# Altium PCB PCB1.PcbDoc
Units mm, origin at the board's own origin, x right, y up, seen from the top; angles counter-clockwise.
Board outline 80 x 40 mm, 2 copper layers (Top Layer, Bottom Layer); 37 components, 32 nets, 148 pads, 180 vias.
Unrouted connection lines stored in the file: 32.
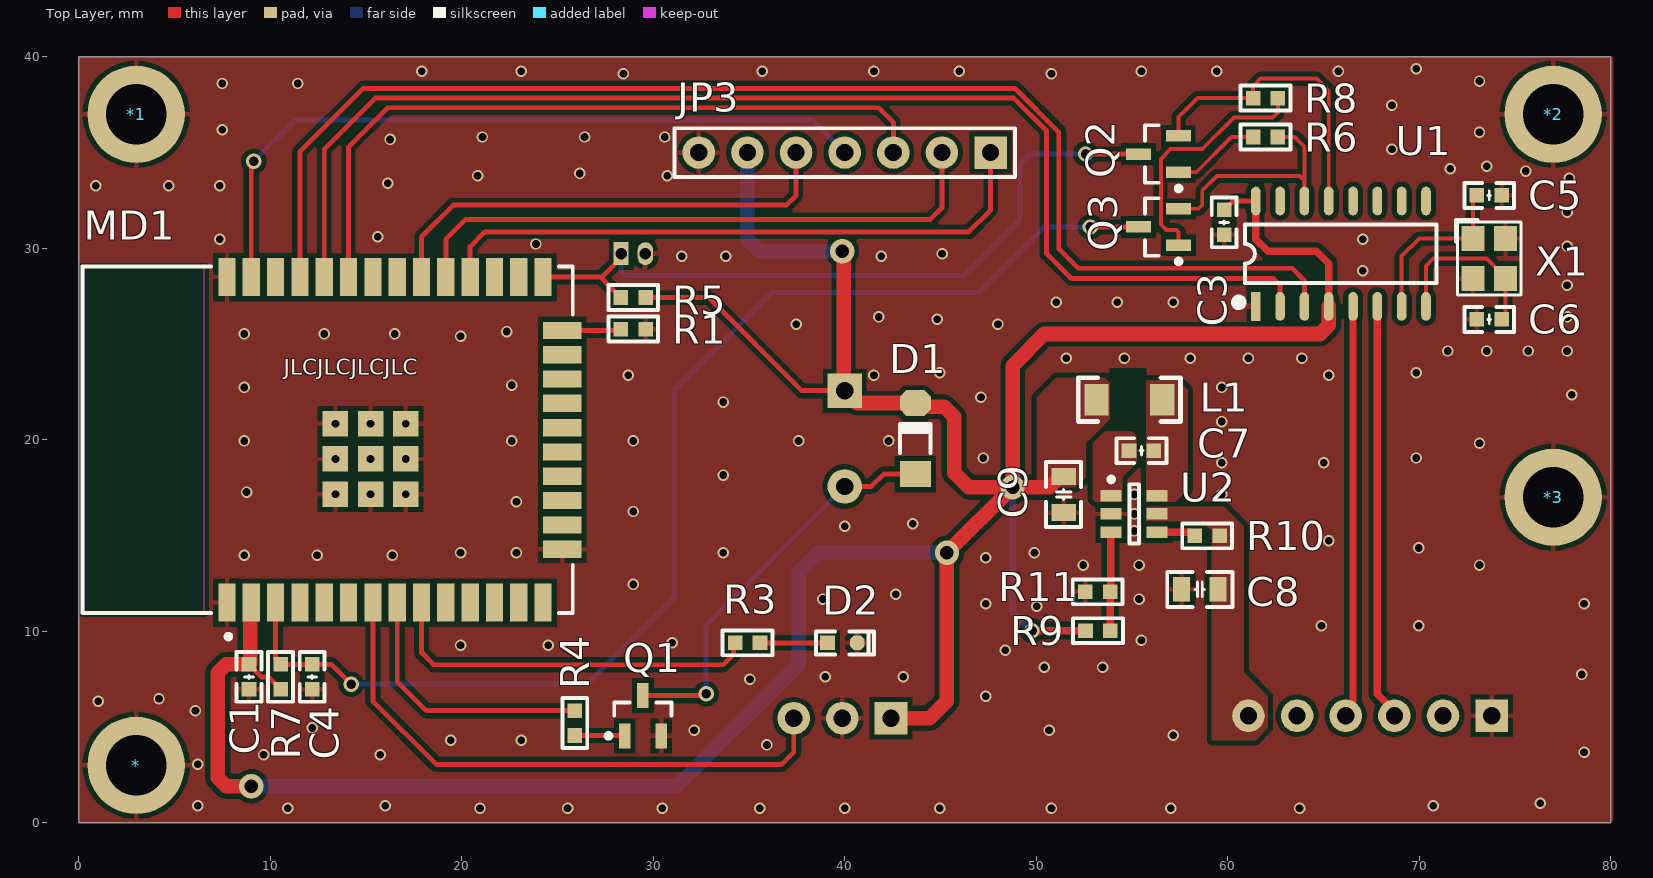
[diagram p0: Top Layer view]
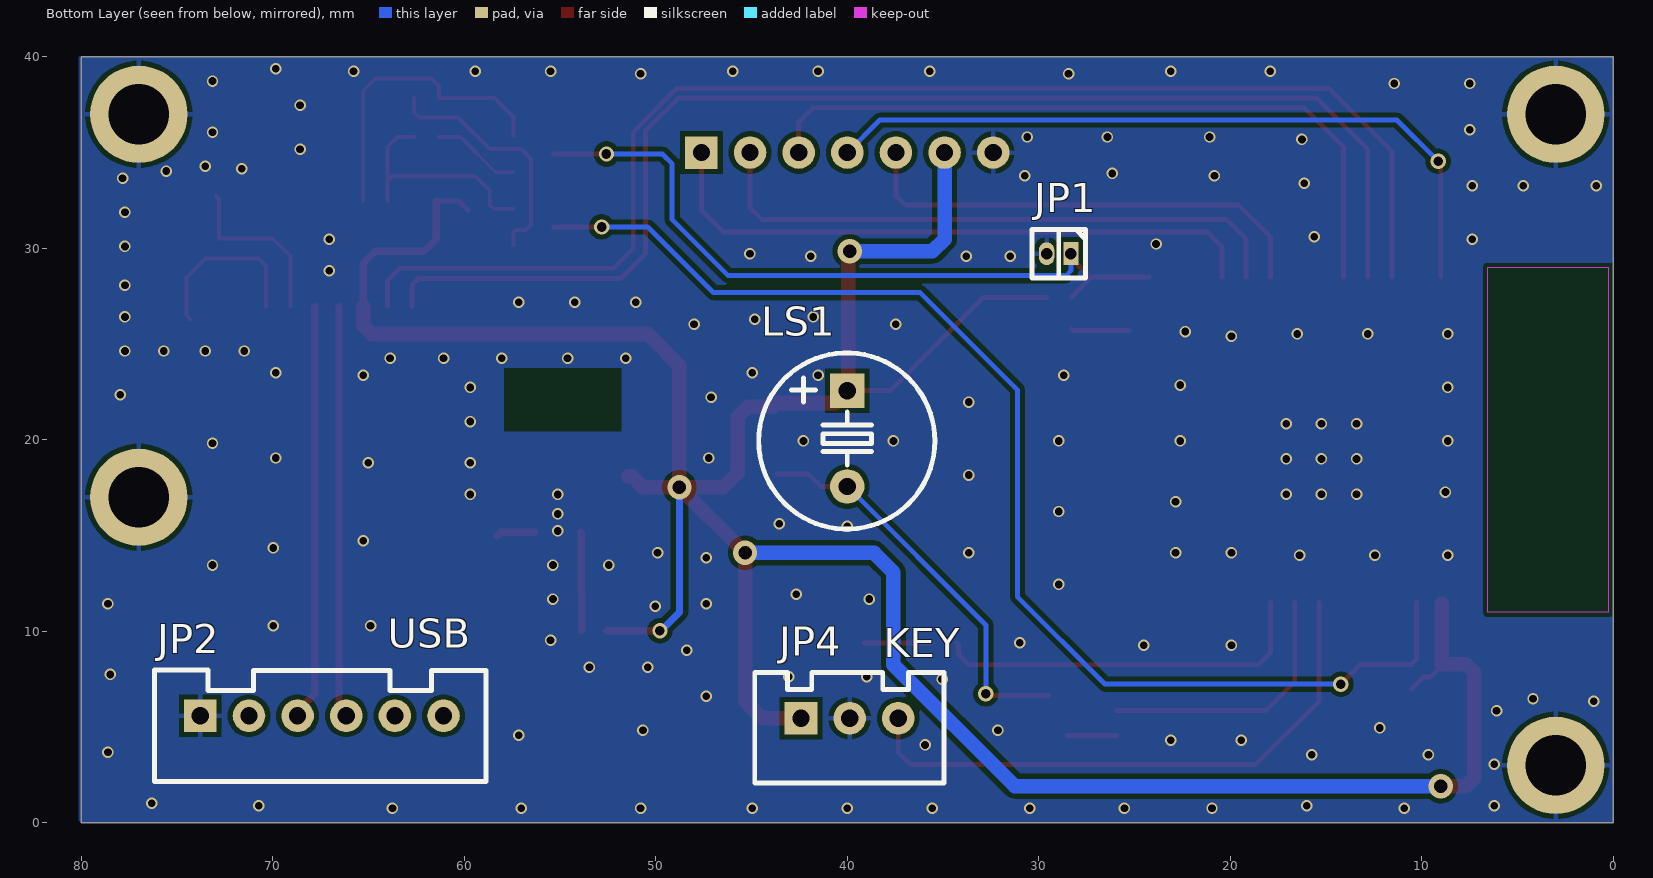
[diagram p1: Bottom Layer view, seen from below]

## Layer stack, top to bottom
Top Solder: solder mask 0.0102, Solder Resist, Dk 3.5
Top Layer: signal copper 0.0356
Dielectric 1: dielectric 0.32, FR-4, Dk 4.8
Bottom Layer: signal copper 0.0356
Bottom Solder: solder mask 0.0102, Solder Resist, Dk 3.5

## Board outline
0,0 0,40 80,40 80,0

## Design rules (kind name [scope] priority, off if disabled: settings)
Clearance [All] p1: gap=0.254 ignorepadtopadclearanceinfootprint=FALSE except(0: Arc-Hole Track-Hole SMDPad-Hole THPad-Hole Via-Hole Fill-Hole Poly-Hole Region-Hole Text-Hole; 0.152: Arc-Arc Arc-Track Arc-SMDPad Arc-THPad Arc-Via Track-Track Track-SMDPad Track-THPad Track-Via SMDPad-SMDPad SMDPad-THPad SMDPad-Via THPad-THPad THPad-Via Via-Via)
PolygonConnect PWR [InNet('+5')  + InNet('+3.3')        +InNet('NetC7_1') + InNet('NetC7_2')] p1: connectstyle=Direct reliefconductorwidth=0.254 reliefentries=4 polygonreliefangle="90 Angle" airgapwidth=0.254
PolygonConnect [All] p2: thpad.connectstyle=Relief thpad.reliefconductorwidth=0.254 thpad.reliefentries=4 thpad.polygonreliefangle="90 Angle" thpad.airgapwidth=0.254 smdpad.connectstyle=Relief smdpad.reliefconductorwidth=0.254 smdpad.reliefentries=4 smdpad.polygonreliefangle="90 Angle" smdpad.airgapwidth=0.254 via.connectstyle=Direct via.reliefconductorwidth=0.254 via.reliefentries=4 via.polygonreliefangle="90 Angle" via.airgapwidth=0.254
RoutingVias [All] p1: holewidth=0.711 width=1.27 viastyle="Through Hole" minholewidth=0.711 minwidth=1.27 maxholewidth=0.711 maxwidth=1.27
SolderMaskExpansion [All] p1: expansion=0.102 istentingtop=FALSE
Width Width_PWR [InNet('+3.3')] p1: maxlimit=1.27 minlimit=0.254 preferedwidth=0.381 minimp=50.000000 maximp=50.000000 favimp=50.000000
Width [All] p2: maxlimit=1.27 minlimit=0.152 preferedwidth=0.254 minimp=50.000000 maximp=50.000000 favimp=50.000000
30 further rules are at their usual default settings.

## Classes and differential pairs
component class main: * *1 *2 *3 C1 D1 D2 JP1 JP2 JP3 JP4 LS1 MD1 Q1 R1 R3 R4
component class Designator: C7 C8 C9 L1 R9 R10 R11 U2

## Components (designator, comment, footprint, x,y, rotation, side; value= is the part's Value field where it differs from the comment)
* "M3" "M3 125X200"#1 3.048,3.048 r0 top
*1 "M3" "M3 125X200"#2 3.937,36.703 r0 top
*2 "M3" "M3 125X200"#3 77,37 r0 top
*3 "M3" "M3 125X200"#4 74.549,17.399 r0 top
C1 "104" "C 0603-L" 8.89,7.62 r270 top
C3 "104" "C 0603-L" 59.817,31.354 r90 top
C4 "1u" "C 0603-L" 12.192,7.62 r90 top
C5 "20p" "C 0603-L" 73.66,32.766 r180 top
C6 "20p" "C 0603-L" 73.66,26.289 r0 top
C7 "223" "C 0603-L" 55.499,19.431 r180 top
C8 "226" "C 0805-L" 58.547,12.192 r180 top
C9 "226" "C 0805-L" 51.435,17.145 r270 top
D1 "1N4148" "MINI_MELF (LL34)" 43.688,20.066 r90 top
D2 "LED" "LED 0603R" 39.878,9.398 r0 top
JP1 "FLS" HDR1.27-LI-2P 28.956,29.718 r0 bottom
JP2 "HDR-1X6" XH2.54-LI-6P 67.437,5.588 r180 bottom
JP3 "OLED_SPI" HDR2.54-M-LI-7P 40,35 r180 top locked
JP4 "HDR-1X3" XH2.54-LI-3P 39.878,5.461 r180 bottom
L1 "10uH" "L 1206" 54.864,22.098 r0 top
LS1 "DC5V" "BEEP 5x9x5.5" 40.005,20.066 r0 bottom
MD1 "ESP32-WROOM-32D" FP-ESP32-WROOM-32D-MFG 13,20 r90 top locked
Q1 "SS8050" SOT23-3N 29.464,5.588 r90 top
Q2 "SS8050" SOT23-3N 56.388,34.925 r180 top
Q3 "SS8050" SOT23-3N 56.388,31.115 r180 top
R1 "10k" "R 0603_L" 28.956,25.781 r0 top
R3 "1K" "R 0603_L" 34.925,9.398 r180 top
R4 "1K" "R 0603_L" 25.908,5.207 r90 top
R5 "10k" "R 0603_L" 28.956,27.432 r0 top
R6 "10k" "R 0603_L" 61.976,35.814 r180 top
R7 "10k" "R 0603_L" 10.541,7.62 r270 top
R8 "10k" "R 0603_L" 61.976,37.846 r0 top
R9 "100k" "R 0603_L" 53.228,10.033 r0 top
R10 "10k" "R 0603_L" 58.928,14.986 r0 top
R11 "22.1k" "R 0603_L" 53.213,12.065 r0 top
U1 "CH340G" sop16_L 65.913,29.718 r90 top
U2 "MT2492" SOT23-6N 55.118,16.129 r0 top
X1 "12M" "OSC 3225-4P" 73.66,29.464 r270 top

## Footprints (in the part's own frame and the unit in brackets; to place one, negate y for a bottom-side part, rotate by r counter-clockwise, add the part's x,y. Pads: shape width x height; smd on the part's side, far side on the other; paste and mask are expansions set on the pad)
"BEEP 5x9x5.5" [mm] "5*9*5.5mm(脚距,直径,高度)        淘宝ID:黄晶宝石"
  rect 1.8x1.8 hole 0.9: 1(0,-2.5)
  round 1.8 hole 0.9: 2(0,2.5)
  silkscreen extent -4.58,-4.47 4.62,4.72, body extent -4.5,-4.5 4.5,4.5, height 5.45
"C 0603-L" [mil] "无极性贴片电容"
  rect 30x30 smd: 1(-25.59,0) 2(25.59,0)
  silkscreen extent -51,-26 51,26, body extent -31,-16 32,16, height 32
"C 0805-L" [mil] "无极性贴片电容"
  rect 35x50 smd: 1(-37.4,0) 2(37.4,0)
  silkscreen extent -67,-36 67,36, body extent -39,-24 39,24, height 20
FP-ESP32-WROOM-32D-MFG [mm]
  rect 2x0.9 smd paste+0 mask+0: 1(-8.5,5.26) 2(-8.5,3.99) 3(-8.5,2.72) 4(-8.5,1.45) 5(-8.5,0.18) 6(-8.5,-1.09) 7(-8.5,-2.36) 8(-8.5,-3.63) 9(-8.5,-4.9) 10(-8.5,-6.17) 11(-8.5,-7.44) 12(-8.5,-8.71) 13(-8.5,-9.98) 14(-8.5,-11.25) 25(8.5,-11.25) 26(8.5,-9.98) 27(8.5,-8.71) 28(8.5,-7.44) 29(8.5,-6.17) 30(8.5,-4.9) 31(8.5,-3.63) 32(8.5,-2.36) 33(8.5,-1.09) 34(8.5,0.18) 35(8.5,1.45) 36(8.5,2.72) 37(8.5,3.99) 38(8.5,5.26)
  rect 0.9x2 smd paste+0 mask+0: 15(-5.715,-12.25) 16(-4.445,-12.25) 17(-3.175,-12.25) 18(-1.905,-12.25) 19(-0.635,-12.25) 20(0.635,-12.25) 21(1.905,-12.25) 22(3.175,-12.25) 23(4.445,-12.25) 24(5.715,-12.25)
  rect 1.33x1.33 smd paste+0 mask+0: 39(-2.835,-2.24) 39(-2.835,-0.405) 39(-2.835,-4.075) 39(-1,-0.405) 39(-1,-4.075) 39(-1,-2.24) 39(0.835,-0.405) 39(0.835,-4.075) 39(0.835,-2.24)
  Keep-Out Layer region: -9,6.45 9,6.45 9,12.75 -9,12.75
  Keep-Out Layer region: -9,6.45 9,6.45 9,12.75 -9,12.75
  silkscreen extent -10.4,-12.8 9.05,12.8, body extent -9,-12.75 9,12.75, height 3.2
HDR1.27-LI-2P [mm] "直插，脚距：1.27mm 封装库来自淘宝卖家 ID：黄晶宝石"
  rect 0.8x1.2 hole 0.6: 1(-0.635,0)
  oval 0.8x1.2 hole 0.6: 2(0.635,0)
  silkscreen extent -1.4,-1.27 1.4,1.27, body extent -1.27,-1.2 1.27,1.2, height 4.48
HDR2.54-M-LI-7P [mm] "排母，7脚"
  rect 1.7x1.7 hole 0.9: 1(-7.62,0)
  round 1.7 hole 0.9: 2(-5.08,0) 3(-2.54,0) 4(0,0) 5(2.54,0) 6(5.08,0) 7(7.62,0)
  silkscreen extent -8.89,-1.27 8.89,1.27, body extent -8.89,-1.27 8.89,1.27, height 8.5
"L 1206" [mil] "小功率贴片电感"
  rect 50x65 smd: 1(-67.5,0) 2(67.5,0)
  silkscreen extent -105,-45 105,45, body extent -63,-31 63,31, height 35
"LED 0603R" [mil] "红色0603LED"
  rect 30x30 smd: 1(-30.59,0)
  oct 30x30 smd: 2(30.59,0)
  silkscreen extent -54,-24 65,24, body extent -31,-16 31,16, height 24
"M3 125X200"#1 [mm] "M3螺丝孔，孔125Mil，焊盘200Mil"
  round 5.08 hole 3.175: 1(-0.048,-0.048)
"M3 125X200"#2 [mm] "M3螺丝孔，孔125Mil，焊盘200Mil"
  round 5.08 hole 3.175: 1(-0.937,0.297)
"M3 125X200"#3 [mm] "M3螺丝孔，孔125Mil，焊盘200Mil"
  round 5.08 hole 3.175: 1(0,0)
"M3 125X200"#4 [mm] "M3螺丝孔，孔125Mil，焊盘200Mil"
  round 5.08 hole 3.175: 1(2.451,-0.399)
"MINI_MELF (LL34)" [mm] "1.5*3.4mm(直径，脚距）"
  rect 1.37x1.62 smd: 1(-1.855,0)
  oct 1.37x1.62 smd: 2(1.855,0)
  silkscreen extent -0.76,-0.8 0.78,0.8, body extent -1.7,-0.75 1.7,0.75, height 1.5
"OSC 3225-4P" [mm] "3.2*2.5*0.7mm(长宽高)                         淘宝ID:黄晶宝石"
  rect 1.3x1.2 smd: 1(-1.05,-0.85) 2(1.05,-0.85) 3(1.05,0.85) 4(-1.05,0.85)
  silkscreen extent -2.03,-1.75 1.91,1.65, body extent -1.6,-1.25 1.6,1.25, height 0.7
"R 0603_L" [mil] "1/10W贴片电阻                 淘宝ID:黄晶宝石"
  rect 30x30 smd: 1(-25.59,0) 2(25.59,0)
  silkscreen extent -51,-26 51,26, body extent -31,-16 31,16, height 16
sop16_L [mm] "10.3*6.2*1.8mm（长宽高）封装库来自淘宝卖家 ID：黄晶宝石"
  rect 1.5x0.5 smd: 1(-2.752,4.445)
  oval 1.5x0.5 smd: 2(-2.752,3.175) 3(-2.752,1.905) 4(-2.752,0.635) 5(-2.752,-0.635) 6(-2.752,-1.905) 7(-2.752,-3.175) 8(-2.752,-4.445) 9(2.752,-4.445) 10(2.752,-3.175) 11(2.752,-1.905) 12(2.752,-0.635) 13(2.752,0.635) 14(2.752,1.905) 15(2.752,3.175) 16(2.752,4.445)
  silkscreen extent -2.69,-5 1.52,5.49, body extent -3,-5 3,5, height 1.9
SOT23-3N [mm] "SOT23, 3-Leads, Body 2.9x1.3mm, Pitch 0.95mm, Lead Span 2.4mm, IPC Medium Density封装库来自淘宝卖家 ID：黄晶宝石"
  rect 1.3x0.6 smd: 1(-1.05,0.95) 2(-1.05,-0.95) 3(1.05,0)
  silkscreen extent -1.17,-1.5 0.7,1.92, body extent -1.2,-1.5 1.2,1.5, height 1.05
SOT23-6N [mm] "SOT-23, 6-Leads, Body 2.90x1.60mm, Pitch 0.95mm, IPC Medium Density封装库来自淘宝卖家 ID：黄晶宝石"
  rect 1.1x0.6 smd: 1(-1.2,0.95) 2(-1.2,0) 3(-1.2,-0.95) 4(1.2,-0.95) 5(1.2,0) 6(1.2,0.95)
  silkscreen extent -1.32,-1.55 0.25,1.92, body extent -1.4,-1.5 1.4,1.5, height 1.15
XH2.54-LI-3P [mm] "接插件，3P  淘宝ID:黄晶宝石   店铺网址:https://shop463601444.taobao.com"
  rect 1.7x1.7 hole 0.9: 1(-2.54,0)
  round 1.7 hole 0.9: 2(0,0) 3(2.54,0)
  silkscreen extent -4.95,-3.38 4.93,2.39, body extent -5.04,-3.3 5.04,2.4, height 7.03
XH2.54-LI-6P [mm] "接插件，6P"
  rect 1.7x1.7 hole 0.9: 1(-6.35,0)
  round 1.7 hole 0.9: 2(-3.81,0) 3(-1.27,0) 4(1.27,0) 5(3.81,0) 6(6.35,0)
  silkscreen extent -8.74,-3.43 8.56,2.39, body extent -8.85,-3.3 8.85,2.4, height 7.03

## Part data
* *1 *2 *3: "铜柱孔", BOM名称=铜柱孔, 免费技术支持，联系售后=唯一出售店铺网址https://shop463601444.taobao.com, 封装库来自淘宝卖家 ID：黄晶宝石=其他店铺购入均为盗版，请立即申请退款，本店提供现金奖励
C1 C3 C4 C5 C6 C7 C8 C9: library part C, "贴片电容", BOM名称=无极性贴片电容, 优秀评价可免费更新=联系淘宝ID：黄晶宝石，获取更新版封装库, 本封装库来自淘宝卖家 ID：黄晶宝石=其他店铺购入均为盗版，请立即申请退款, 联系卖家，免费查找封装=唯一出售店铺网址https://shop463601444.taobao.com
D1: "开关二极管", BOM名称=高速开关二极管, 优秀评价可免费更新=联系淘宝ID：黄晶宝石，获取更新版封装库, 卖家免费查找封装，联系售后=唯一出售店铺网址https://shop463601444.taobao.com, 封装库 来自淘宝卖家 ID：黄晶宝石=其他店铺购入均为盗版，请立即申请退款
D2: "发光二极管", 优秀评价可免费更新=联系淘宝ID：黄晶宝石，获取更新版封装库, 卖家免费查找封装，联系售后=唯一出售店铺网址https://shop463601444.taobao.com, 封装库来自淘宝卖家 ID：黄晶宝石=其他店铺购入均为假冒，请立即申请退款，本店奖励2~5元现金
JP1: library part "Header 2", "2P接插件", 优秀评价可免费更新封装库=联系淘宝ID：黄晶宝石，获取更新版封装库, 卖家免费技术支持，联系售后=唯一出售店铺网址https://shop463601444.taobao.com, 封装库来自淘宝卖家 ID：黄晶宝石=其他店铺购入均为盗版，请立即申请退款
JP2: library part "Header 6", "6P接插件", BOM名称=6P接插件, 封装库来自淘宝卖家  ID：黄晶宝石=其他店铺购入均为盗版假冒封装库，请立即申请退款, 技术支持， 联系售后=唯一出售店铺网址https://shop463601444.taobao.com
JP3: library part "Header 7", "7P接插件", BOM名称=7P接插件, 封装库来自淘宝卖家  ID：黄晶宝石=其他店铺购入均为盗版假冒封装库，请立即申请退款, 技术支持， 联系售后=唯一出售店铺网址https://shop463601444.taobao.com
JP4: library part "Header 3", "3P接插件", BOM名称=3P接插件, 封装库来自淘宝卖家  ID：黄晶宝石=其他店铺购入均为盗版假冒封装库，请立即申请退款, 技术支持， 联系售后=唯一出售店铺网址https://shop463601444.taobao.com
L1: library part L-NR, "NR磁胶电感", BOM名称=NR磁胶电感, 优秀评价可免费更新=联系淘宝ID：黄晶宝石，获取更新版封装库, 本封装库来自淘宝卖家 ID：黄晶宝石=其他店铺购入均为盗版，请立即申请退款, 联系卖家，免费查找封装=唯一出售店铺网址https://shop463601444.taobao.com
LS1: library part BEEP, "蜂鸣器", BOM名称=蜂鸣器, 免费技术支持，联系售后=唯一出售店铺网址https://shop463601444.taobao.com, 封装库来自淘宝卖家 ID：黄晶宝石=其他店铺购入均为盗版，请立即申请退款，本店提供现金奖励
MD1: library part CMP-194065-000003-1, "WIFI MODULE 32MBITS SPI FLASH", Manufacturer="Espressif Systems", Max Frequency=2484MHz, Max Supply Voltage=3.6V, Min Supply Voltage=3V, Nominal Supply Current=500mA, Temperature="-40°C to +85°C", Temperature Range High=+85°C, Temperature Range Low=-40°C, Automotive=No, Bandwidth=72MHz, Category=UNK, ComponentLink2Description=Datasheet, ComponentLink2URL=https://www.espressif.com/sites/default/files/documentation/esp32-wroom-32d_esp32-wroom-32u_datasheet_en.pdf, Data Rate=150Mbits/s, Device Class L1="Integrated Circuits (ICs)", Device Class L2="RF Semiconductors and Devices", Device Class L3=Transceivers, Digikey Description="WIFI MODULE 32MBITS SPI FLASH", Height=3.2mm, Interface=I2C,SPI,UART,Ethernet,I2S,Other, Lead Free=Yes, Manufacturer Part Number=ESP32-WROOM-32D, Mouser Description="Wi-Fi/BT BLE Module ESP32-D0WD, SPI Flash, UART, P", Number Of Adc Channels=16, Number Of Gpio=32, Octopart=https://octopart.com/esp32-wroom-32d-espressif+systems-91040050, Package=ESP32-WROOM-32D, RoHS=TRUE, Sensitivity=-98dBm
Q1 Q2 Q3: library part 8050-SMD, "高频放大-NPN型", BOM名称=高频放大-NPN型, 卖家免费技术支持，联系售后=唯一出售店铺网址https://shop463601444.taobao.com, 卖家免费查找封装，联系售后=唯一出售店铺网址https://shop463601444.taobao.com, 封装库来自淘宝卖家 ID：黄晶宝石=其他店铺购入均为假冒，请立即申请退款，本店奖励2~5元现金, 属性="40V 1.5A 1W 100MHZ"
R1 R3 R4 R5 R6 R7 R8 R9 R10 R11: library part R, "贴片电阻", BOM名称=贴片电阻, 优秀评价可免费更新=联系淘宝ID：黄晶宝石，获取更新版封装库, 本封装库来自淘宝卖家 ID：黄晶宝石=其他店铺购入均为盗版，请立即申请退款, 联系卖家，免费查找封装=唯一出售店铺网址https://shop463601444.taobao.com
U2: library part MP2359, "DC降压芯片", BOM名称=DC降压芯片, 卖家免费技术支持，联系售后=唯一出售店铺网址https://shop463601444.taobao.com, 卖家免费查找封装，联系售后=唯一出售店铺网址https://shop463601444.taobao.com, 封装库来自淘宝卖家 ID：黄晶宝石=其他店铺购入均为假冒，请立即申请退款，本店奖励2~5元现金
X1: library part XTAL-4P, "4脚无源晶振", BOM名称=4脚无源晶振, 优秀评价可免费更新=联系淘宝ID：黄晶宝石，获取更新版封装库, 卖家免费技术支持，联系售后=唯一出售店铺网址https://shop463601444.taobao.com, 封装库来自淘宝卖家 ID：黄晶宝石=其他店铺购入均为盗版，请立即申请退款, 版权归属="封装库来自淘宝卖家 ID：黄晶宝石"
U1: 优秀评价可免费更新=联系淘宝ID：黄晶宝石，获取更新版封装库, 卖家免费技术支持，联系售后=唯一出售店铺网址https://shop463601444.taobao.com, 封装库文件来自淘宝卖家 ID：黄晶宝石=其他店铺购入均为盗版，请申请退款，本店提供现金奖励

## Via types
v1: diameter 0.6, hole 0.4, Top Layer to Bottom Layer, 170 vias
v2: diameter 0.8, hole 0.5, Top Layer to Bottom Layer, 6 vias
v3: diameter 1.27, hole 0.711, Top Layer to Bottom Layer, 4 vias

## Nets (pads, with @x,y where several pads share a name; then routed paths per layer and width w, separated by ;. In a path a pad name is that pad's centre, name@x,y a point inside that pad or via, vN(x,y) a via of type N, cw(c..) or ccw(c..) an arc to the next point about the centre after c; other vN are vias at no path point)
+3.3: C1.1 C3.2 C9.1 D1.2 JP3.6 JP4.1 L1.1 LS1.1 MD1.2 R5.2 R7.2 R9.1 U1.4 U1.16 | length 165.6
  Top Layer w0.254: C1.1 9.54,7.62 9.891,7.62 R7.2 ; R5.2 32.893,27.432 37.759,22.566 LS1.1 ; C3.2 60.283,32.47 U1.16
  Top Layer w0.381: C1.1 C1.1@8.95,8.33 ; MD1.2@8.95,11.44 MD1.2 ; v2(49.784,10.033) R9.1 ; U1.16 61.468,30.48 62.103,29.845 64.643,29.845 65.278,29.21 U1.4
  Top Layer w0.762: C1.1 7.7,8.27 7.254,7.824 7.254,2.351 7.7,1.905 v3(9.017,1.905) ; C1.1@8.95,8.33 MD1.2@8.95,11.44 ; v3(39.878,29.845) 39.941,29.781 39.941,22.63 LS1.1 40.65,21.921 D1.2 43.873,21.736 45.193,21.736 45.72,21.209 45.72,18.288 46.482,17.526 v3(48.768,17.526) ; JP4.1 44.45,5.461 45.339,6.35 v3(45.339,14.097) v3(48.768,17.526) ; C9.1 51.244,18.095 50.675,17.526 v3(48.768,17.526) ; U1.4 65.278,25.973 64.832,25.527 50.419,25.527 48.768,23.876 v3(48.768,17.526)
  Bottom Layer w0.381: v3(48.768,17.526) 48.768,10.993 49.728,10.033 v2(49.784,10.033)
  Bottom Layer w0.762: v3(9.017,1.905) 31.242,1.905 37.592,8.255 37.592,13.081 38.608,14.097 v3(45.339,14.097) ; JP3.6 34.92,30.485 35.56,29.845 v3(39.878,29.845)
+5: C8.1 JP2.6 R10.2 U2.5
BEEPER: MD1.8 R4.2 | length 14
  Top Layer w0.254: MD1.8 16.63,7.373 18.146,5.857 R4.2
EN: C4.2 MD1.3 Q3.3 R7.1 | length 64.8
  Top Layer w0.254: MD1.3 10.28,8.531 R7.1 13.193,8.27 v2(14.224,7.239) ; v2(52.832,31.115) Q3.3
  Bottom Layer w0.254: v2(14.224,7.239) 26.543,7.239 31.115,11.811 31.115,22.606 36.195,27.686 46.99,27.686 50.419,31.115 v2(52.832,31.115)
GND: *1.1 *2.1 *3.1 *.1 C1.2 C3.1 C4.1 C5.1 C6.1 C8.2 C9.2 D2.2 JP1.2 JP2.1 JP3.7 JP4.2 MD1.1 MD1.15 MD1.38 MD1.39 Q1.2 R1.2 R11.1 U1.1 U2.2 X1.2 X1.4
  other v1: 10.922,0.762 20.955,0.762 25.527,0.762 30.48,0.762 35.56,0.762 40.005,0.762 44.958,0.762 50.8,0.762 57.023,0.762 63.754,0.762 6.223,0.889 16.002,0.889 70.739,0.889 76.327,1.016 6.223,3.048 9.652,3.556 15.748,3.556 78.613,3.683 35.941,4.064 19.431,4.318 23.114,4.318 57.15,4.572 32.131,4.826 50.673,4.826 12.192,4.953 6.096,5.842 1.016,6.35 4.191,6.477 47.371,6.604 35.052,7.493 38.989,7.62 43.053,7.62 78.486,7.747 50.419,8.128 53.467,8.128 48.387,9.017 19.939,9.271 24.511,9.271 30.988,9.398 55.499,9.525 64.897,10.287 69.977,10.287 50.038,11.303 47.371,11.43 78.613,11.43 38.862,11.684 55.372,11.684 42.672,11.938 28.956,12.446 52.451,13.462 55.372,13.462 73.152,13.462 47.371,13.843 8.636,13.97 12.446,13.97 16.383,13.97 19.939,14.097 22.86,14.097 33.655,14.097 49.911,14.097 69.977,14.351 65.278,14.732 55.118,15.24 40.005,15.494 43.561,15.621 55.118,16.129 28.956,16.256 22.86,16.764 55.118,17.145 59.69,17.145 13.405,17.165 15.24,17.165 17.075,17.165 8.763,17.272 33.655,18.161 59.69,18.796 65.024,18.796 13.405,19 15.24,19 17.075,19 47.244,19.05 69.85,19.05 73.152,19.812 8.636,19.939 22.606,19.939 28.956,19.939 37.592,19.939 42.291,19.939 13.405,20.835 15.24,20.835 17.075,20.835 59.69,20.955 33.655,21.971 47.117,22.225 77.978,22.352 8.636,22.733 59.69,22.733 22.606,22.86 28.702,23.368 41.529,23.368 65.278,23.368 44.958,23.495 69.85,23.495 51.562,24.257 54.61,24.257 58.039,24.257 61.087,24.257 63.881,24.257 71.501,24.638 73.533,24.638 75.692,24.638 77.724,24.638 19.939,25.4 8.636,25.527 12.827,25.527 16.51,25.527 22.352,25.654 37.465,26.035 48.006,26.035 44.831,26.289 41.783,26.416 77.724,26.416 51.054,27.178 54.229,27.178 57.15,27.178 77.724,28.067 67.056,28.829 31.496,29.591 33.782,29.591 41.91,29.591 45.085,29.718 77.724,30.099 23.876,30.226 7.366,30.48 67.056,30.48 15.621,30.607 77.724,31.877 0.889,33.274 4.699,33.274 7.366,33.274 16.129,33.401 77.851,33.655 20.828,33.782 30.734,33.782 26.162,33.909 75.565,34.036 71.628,34.163 73.533,34.29 68.58,35.179 16.256,35.687 21.082,35.814 26.416,35.814 30.607,35.814 73.152,36.068 7.493,36.195 68.58,37.465 7.493,38.608 11.43,38.608 73.152,38.735 28.448,39.116 50.8,39.116 17.907,39.243 23.114,39.243 35.687,39.243 41.529,39.243 45.974,39.243 55.499,39.243 59.436,39.243 65.786,39.243 69.85,39.37
IO0: JP1.1 MD1.25 Q2.3 R5.1 | length 38.5
  Top Layer w0.254: MD1.25 27.303,28.5 ; R5.1 27.303,28.435 27.303,28.5 ; JP1.1 28.321,29.518 27.303,28.5 ; v2(52.578,34.925) Q2.3
  Bottom Layer w0.254: JP1.1 28.321,28.829 28.575,28.575 46.228,28.575 49.149,31.496 49.149,34.417 49.657,34.925 v2(52.578,34.925)
KEY: JP4.3 MD1.7 | length 30.5
  Top Layer w0.254: MD1.7 15.36,6.357 18.669,3.048 36.703,3.048 37.338,3.683 JP4.3
LED: MD1.9 R3.2 | length 20
  Top Layer w0.254: MD1.9 17.9,8.897 18.542,8.255 33.655,8.255 34.185,8.785 34.185,9.308 R3.2
NetC5_2: C5.2 U1.7 X1.1 | length 9.1
  Top Layer w0.203: U1.7 69.088,29.591 70.011,30.514 X1.1 72.81,32.566 C5.2
NetC6_2: C6.2 U1.8 X1.3 | length 9.1
  Top Layer w0.203: U1.8 70.358,29.083 70.739,29.464 73.51,29.464 74.51,28.464 X1.3 74.51,26.489 C6.2
NetC7_1: C7.1 L1.2 U2.6
NetC7_2: C7.2 U2.1
NetD1_1: D1.1 LS1.2 Q1.3 | length 21.1
  Top Layer w0.254: Q1.3 32.673,6.638 v2(32.766,6.731) ; LS1.2 41.392,17.566 42.037,18.211 D1.1
  Bottom Layer w0.254: v2(32.766,6.731) 32.766,10.327 LS1.2
NetD2_1: D2.1 R3.1 | length 3.5
  Top Layer w0.254: R3.1 D2.1
NetMD1_24: MD1.24 R1.1 | length 3.1
  Top Layer w0.254: MD1.24 28.24,25.715 R1.1
NetQ1_1: Q1.1 R4.1 | length 2.6
  Top Layer w0.254: R4.1 28.495,4.557 Q1.1
NetQ2_1: Q2.1 R6.2 | length 4.6
  Top Layer w0.203: Q2.1 58.359,33.975 60.198,35.814 R6.2
NetQ2_2: Q2.2 R8.1 U1.13 | length 16
  Top Layer w0.203: Q2.2 57.438,36.864 58.42,37.846 R8.1 61.326,38.466 61.722,38.862 64.643,38.862 65.278,38.227 U1.13
NetQ3_1: Q3.1 R8.2 | length 13.1
  Top Layer w0.203: Q3.1 57.438,30.835 57.319,30.954 56.803,30.954 56.515,31.242 56.515,34.671 57.023,35.179 58.674,35.179 60.325,36.83 62.357,36.83 62.626,37.099 R8.2
NetQ3_2: Q3.2 R6.1 U1.14 | length 12.3
  Top Layer w0.203: Q3.2 58.481,32.065 58.674,32.258 58.674,33.02 59.436,33.782 63.754,33.782 64.008,33.528 ; R6.1 63.5,35.814 64.008,35.306 64.008,33.528 ; U1.14 64.008,33.528
NetR9_2: R9.2 R11.2 U2.3 | length 5.2
  Top Layer w0.381: R9.2 53.87,10.041 53.87,12.057 R11.2 53.89,12.092 53.89,15.151 U2.3
NetR10_1: R10.1 U2.4 | length 2
  Top Layer w0.381: U2.4 58.085,15.179 R10.1
OLED_CS: JP3.1 MD1.28 | length 32.6
  Top Layer w0.254: MD1.28 20.44,30.092 21.209,30.861 46.482,30.861 47.62,31.999 JP3.1
OLED_DC: JP3.2 MD1.29 | length 31.4
  Top Layer w0.254: MD1.29 19.17,30.473 20.193,31.496 44.45,31.496 45.08,32.126 JP3.2
OLED_RES: JP3.3 MD1.33 | length 38
  Top Layer w0.254: MD1.33 14.09,35.299 16.129,37.338 41.783,37.338 42.54,36.581 JP3.3
RX: MD1.34 U1.2 | length 66.6
  Top Layer w0.254: MD1.34 12.82,35.172 15.494,37.846 48.828,37.846 50.546,36.128 50.546,29.718 51.841,28.423 62.382,28.423 62.738,28.067 U1.2
RXD: MD1.35 U1.3 | length 69.5
  Top Layer w0.254: MD1.35 11.55,35.045 14.859,38.354 48.895,38.354 51.181,36.068 51.181,29.972 52.197,28.956 63.373,28.956 64.008,28.321 U1.3
SPI_CLK: JP3.5 MD1.30 | length 24.8
  Top Layer w0.254: MD1.30 17.9,30.6 19.558,32.258 36.957,32.258 37.46,32.761 JP3.5
SPI_MISO: MD1.31
SPI_MOSI: JP3.4 MD1.37 | length 38.6
  Top Layer w0.254: MD1.37 9.01,34.41 v2(9.144,34.544)
  Bottom Layer w0.254: v2(9.144,34.544) 11.303,36.703 38.297,36.703 JP3.4
USB_N: JP2.3 U1.6 | length 21.7
  Top Layer w0.381: U1.6 67.818,6.725 68.707,5.836 JP2.3
USB_P: JP2.4 U1.5 | length 21.5
  Top Layer w0.381: JP2.4@66.192,5.613 66.192,5.969 66.548,6.326 U1.5
pads on no net: JP2.2 JP2.5 MD1.4 MD1.5 MD1.6 MD1.10 MD1.11 MD1.12 MD1.13 MD1.14 MD1.16 MD1.17 MD1.18 MD1.19 MD1.20 MD1.21 MD1.22 MD1.23 MD1.26 MD1.27 MD1.32 MD1.36 U1.9 U1.10 U1.11 U1.12 U1.15

## Polygon pours and split planes (outlines as drawn)
GND on Top Layer "GND_L01_P004" (solid, pour order 4): 0,40.005 0,0 80.01,0 80.137,0.127 80.137,40.005
+3.3 on Top Layer "+3.3_L01_P003" (solid, pour order 3): 53.848,22.987 53.848,21.082 52.578,19.812 52.578,18.034 52.07,17.526 50.292,17.526 50.038,17.78 50.038,22.225 51.054,23.241 53.594,23.241
NetC7_2 on Top Layer "NETC7_2_L01_P002" (solid, pour order 2): 54.483,16.764 54.483,18.034 55.245,18.796 55.245,20.193 54.991,20.447 53.594,20.447 52.959,19.812 52.959,16.891 53.086,16.764
NetC7_1 on Top Layer "NETC7_1_L01_P001" (solid, pour order 1): 55.753,16.764 55.753,23.114 57.404,23.114 57.912,22.606 57.912,17.399 57.277,16.764
+5 on Top Layer "+5_L01_P000" (solid, pour order 0): 61.468,4.318 59.182,4.318 59.182,15.24 58.674,15.748 55.753,15.748 55.753,16.51 59.817,16.51 60.833,15.494 60.833,7.874 62.103,6.604 62.103,4.953
GND on Bottom Layer "GND_L02_P005" (solid, pour order 5): 0,40.005 0,0 80.01,0 80.137,0.127 80.137,40.005

## Other copper
Top Layer:
  pour cut-out: 53.848,23.749 53.848,20.447 55.753,20.447 55.753,23.749
Bottom Layer:
  pour cut-out: 51.816,23.749 51.816,20.447 57.912,20.447 57.912,23.749

## Silkscreen, mask and mechanical layers (free items; w line width, h text height)
Top Overlay:
  text "JLCJLCJLCJLC" at 10.693,23.393 h0.81
Bottom Overlay:
  text "USB" at 64.008,9.144 h1.52
  text "KEY" at 38.1,8.636 h1.52
Mechanical 1:
  lines w0.254: 0,0 80,0 80,40 0,40 0,0 ; 0,7.5 6,7.5 6,32.5 0,32.5 0,7.5
Mechanical 15:
  lines w0.254: 40,20 80.01,20 80.01,40.005 40,40.005 40,20 ; 40,20 0,20 0,0 40,0 40,20